# Altium PCB PCB2.PcbDoc (part 2 of 4)
Units mil, origin at the board's own origin, x right, y up, seen from the top; angles counter-clockwise.
Board outline 9200.4 x 4356.3 mil, 4 copper layers (Top Layer, Layer 1, Layer 2, Bottom Layer), stack 23.756 mil thick; 338 components, 1355 nets, 1355 pads, 694 vias.
Unrouted connection lines stored in the file: 1569.
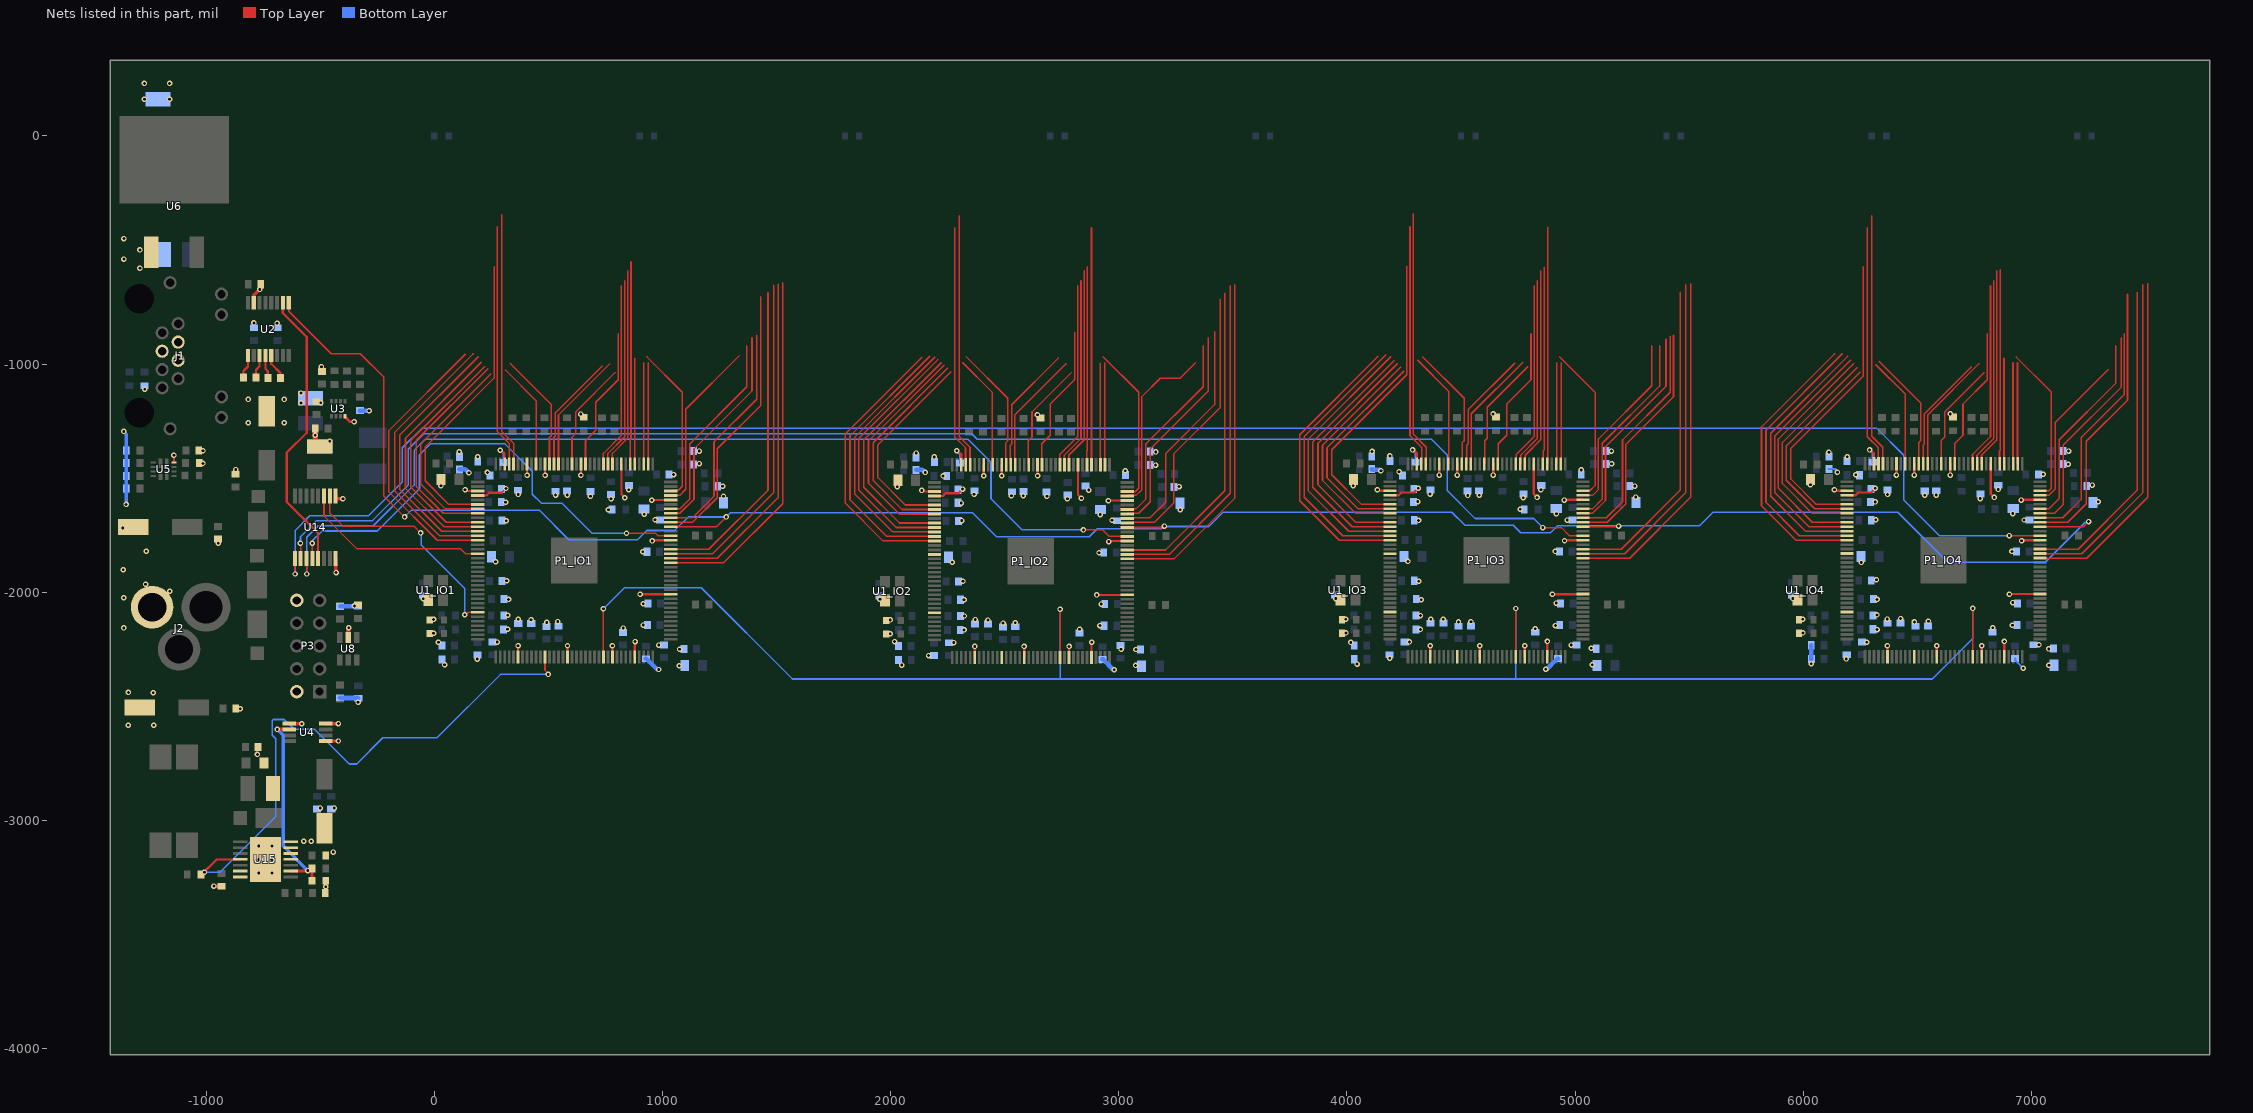
[diagram p4: the nets of this part, all layers, seen from the top]

## Footprints (in the part's own frame and the unit in brackets; to place one, negate y for a bottom-side part, rotate by r counter-clockwise, add the part's x,y. Pads: shape width x height; smd on the part's side, far side on the other; paste and mask are expansions set on the pad) (continued)
LD1085D2T33R [mm]
  rect 3.5x1.6 smd: 1(-10.275,2.54) 3(-10.275,-2.54)
  rect 9.75x12.2 smd: 4(0,0)
  silkscreen extent -12.39,-5.1 -5.2,5.1, body extent -10.41,-3.25 -0.71,3.33, height 2.3
LED_0603 [mm]
  rect 0.7x0.8 smd: 1(-0.8,0) 2(0.8,0)
  silkscreen extent -1.35,-0.6 1.35,0.6, body extent -0.8,-0.4 0.8,0.4, height 0.75
MAX3232CPWR [mm]
  rect 1.475x0.45 smd: 1(-2.938,2.275) 2(-2.938,1.625) 3(-2.938,0.975) 4(-2.938,0.325) 5(-2.938,-0.325) 6(-2.938,-0.975) 7(-2.938,-1.625) 8(-2.938,-2.275) 9(2.938,-2.275) 10(2.938,-1.625) 11(2.938,-0.975) 12(2.938,-0.325) 13(2.938,0.325) 14(2.938,0.975) 15(2.938,1.625) 16(2.938,2.275)
  silkscreen extent -1.85,-2.5 1.85,2.5, body extent -3.2,-2.5 3.2,2.5, height 1.2
MCP4562T-503E/MS [mil]
  rect 60x18 smd: 1(-80,38) 2(-80,13) 3(-80,-13) 4(-80,-38) 5(80,-38) 6(80,-13) 7(80,13) 8(80,38)
  silkscreen extent -101,-59 45,69, body extent -99,-59 97,59, height 43
MP2333HGTL-P [mm]
  rect 0.475x0.3 smd: 1(-0.838,0.75) 2(-0.838,0.25) 3(-0.838,-0.25) 4(-0.838,-0.75) 5(0.838,-0.75) 6(0.838,-0.25) 7(0.838,0.25) 8(0.838,0.75)
  silkscreen extent -1.27,-1.05 0.25,1.42, body extent -0.8,-1.05 0.8,1.05, height 0.6
NUP4114HMR6T1G [mm]
  rect 1.25x0.6 smd: 1(-1.25,0.95) 2(-1.25,0) 3(-1.25,-0.95) 4(1.25,-0.95) 5(1.25,0) 6(1.25,0.95)
  silkscreen extent -1.5,-1.5 0.28,1.83, body extent -1.38,-1.5 1.38,1.5, height 1.1
PJ002BH [mm]
  round 5.46 hole 3.64: 1(0,0)
  round 4.74 hole 3.16: 2(6,0) 3(3,4.7)
  silkscreen extent -4,-4.5 13.75,4.5, body extent -0.73,-4.57 13.67,4.83, height 11.36
RJHSE5381 [mm]
  round 1.462 hole 0.94: 1(3.501,0.125) 2(2.481,1.905) 3(1.461,0.125) 4(0.441,1.905) 5(-0.579,0.125) 6(-1.599,1.905) 7(-2.619,0.125) 8(-3.639,1.905) 9(6.801,6.735) 10(4.511,6.735) 11(-4.649,6.735) 12(-6.939,6.735) MH1(-8.199,1.015) MH2(8.061,1.015)
  round 1.65 hole 3.3 unplated: MH3(-6.419,-2.415) MH4(6.281,-2.415)
  silkscreen extent -8.32,-7.88 8.93,7.88, body extent -8.57,-7.88 8.43,7.88, height 13.1
TPS2121RUXT [mm]
  rect 1.05x0.4 smd: 1(-0.675,0.35) 2(-0.675,-0.35) 7(0.675,-0.35) 8(0.675,0.35)
  rect 0.2x0.6 smd: 3(-0.75,-1.15) 4(-0.25,-1.15) 5(0.25,-1.15) 6(0.75,-1.15) 9(0.75,1.15) 10(0.25,1.15) 11(-0.25,1.15) 12(-0.75,1.15)
  silkscreen extent -1.6,-1.27 1.27,1.27, body extent -1,-1.25 1,1.25, height 1.1
TPS61175PWPR [mm]
  rect 1.6x0.3 smd: 1(-2.8,1.95) 2(-2.8,1.3) 3(-2.8,0.65) 4(-2.8,0) 5(-2.8,-0.65) 6(-2.8,-1.3) 7(-2.8,-1.95) 8(2.8,-1.95) 9(2.8,-1.3) 10(2.8,-0.65) 11(2.8,0) 12(2.8,0.65) 13(2.8,1.3) 14(2.8,1.95)
  rect 3.4x5 smd: 15(0,0)
  round 0.44 hole 0.33: 16(-0.75,1.5) 17(0.75,1.5) 18(-0.75,0) 19(0.75,0) 20(-0.75,-1.5) 21(0.75,-1.5)
  silkscreen extent -4.3,-2.5 2.2,2.5, body extent -3.2,-2.5 3.2,2.5, height 1.2
V8PAM10SHM3H [mm]
  rect 3.1x2.2 smd: 1(-1.095,0)
  rect 1.5x1.52 smd: 2(2.125,0)
  silkscreen extent -2.92,-1.3 2.12,1.3, body extent -2.42,-1.3 2.73,1.3, height 1.1

## Part data
C1_IO1 C1_IO2 C1_IO3 C1_IO4 C4_POWER1 C4_POWER2 C4_POWER3 C4_POWER4 C5_POWER1 C5_POWER2 C5_POWER3 C5_POWER4 C6_POWER1 C6_POWER2 C6_POWER3 C6_POWER4 C9_POWER1 C9_POWER2 C9_POWER3 C9_POWER4 C12_POWER1 C12_POWER2 C12_POWER3 C12_POWER4 C13_POWER1 C13_POWER2 C13_POWER3 C13_POWER4 C15_POWER1 C15_POWER2 C15_POWER3 C15_POWER4 C16_POWER1 C16_POWER2 C16_POWER3 C16_POWER4 C17_POWER1 C17_POWER2 C17_POWER3 C17_POWER4 C23_POWER1 C23_POWER2 C23_POWER3 C23_POWER4 C24_POWER1 C24_POWER2 C24_POWER3 C24_POWER4 C45_POWER1 C45_POWER2 C45_POWER3 C45_POWER4 C48_POWER1 C48_POWER2 C48_POWER3 C48_POWER4 C49_POWER1 C49_POWER2 C49_POWER3 C49_POWER4 C51_POWER1 C51_POWER2 C51_POWER3 C51_POWER4 C52_POWER1 C52_POWER2 C52_POWER3 C52_POWER4 C57_POWER1 C57_POWER2 C57_POWER3 C57_POWER4 C58_POWER1 C58_POWER2 C58_POWER3 C58_POWER4 C59_POWER1 C59_POWER2 C59_POWER3 C59_POWER4 C60_POWER1 C60_POWER2 C60_POWER3 C60_POWER4 C61_POWER1 C61_POWER2 C61_POWER3 C61_POWER4 C62_POWER1 C62_POWER2 C62_POWER3 C62_POWER4 C64_POWER1 C64_POWER2 C64_POWER3 C64_POWER4 C65_POWER1 C65_POWER2 C65_POWER3 C65_POWER4 C66_POWER1 C66_POWER2 C66_POWER3 C66_POWER4 C67_POWER1 C67_POWER2 C67_POWER3 C67_POWER4: library part Cap, "Multilayer Ceramic Capacitors MLCC - SMD/SMT 0603 16VDC 0.1uF 10% X7R AEC-Q200", Mfr="Taiyo Yuden", Mfr Part No=EMK107B7104KAHT, Package=0603, PRICE=0.101, Stockiest=MOUSER, Stockiest Part No=963-EMK107B7104KAHT
C2_POWER1 C2_POWER2 C2_POWER3 C2_POWER4 C3_POWER1 C3_POWER2 C3_POWER3 C3_POWER4 C53_POWER1 C53_POWER2 C53_POWER3 C53_POWER4: library part Cap, "Multilayer Ceramic Capacitors MLCC - SMD/SMT 16V 0.01uF X7R 0603 10% AEC-Q200", Mfr=KEMET, Mfr Part No=C0603C103K4RECAUTO, Package=0603, PRICE=0.151, Stockiest=MOUSER, Stockiest Part No=80-C0603C103K4RECAUT
C7_POWER1 C7_POWER2 C7_POWER3 C7_POWER4 C47_POWER1 C47_POWER2 C47_POWER3 C47_POWER4 C54_POWER1 C54_POWER2 C54_POWER3 C54_POWER4 C68_POWER1 C68_POWER2 C68_POWER3 C68_POWER4: library part Cap, "Multilayer Ceramic Capacitors MLCC - SMD/SMT 16V 0.47uF 0603 X7R 5% AEC-Q200", Mfr=KEMET, Mfr Part No=C0603C474J4RACAUTO, Package=0603, PRICE=0.444, Stockiest=MOUSER, Stockiest Part No=80-C0603C474J4RAUTO
C8 C14 C19 C26 C27 C29: library part Cap, "Multilayer Ceramic Capacitors MLCC - SMD/SMT 1210 25VDC 22uF 20% X7R AEC-Q200", Mfr="Taiyo Yuden", Mfr Part No=TMK325B7226MMHP, Package=1210, PRICE=0.807, Stockiest=MOUSER, Stockiest Part No=963-TMK325B7226MMHP
C10_POWER1 C10_POWER2 C10_POWER3 C10_POWER4 C28 C46_POWER1 C46_POWER2 C46_POWER3 C46_POWER4 C55_POWER1 C55_POWER2 C55_POWER3 C55_POWER4 C69_POWER1 C69_POWER2 C69_POWER3 C69_POWER4 C70_POWER1 C70_POWER2 C70_POWER3 C70_POWER4: library part Cap, "Multilayer Ceramic Capacitors MLCC - SMD/SMT 0805 25VDC 10uF 20% X5R", Mfr="Taiyo Yuden", Mfr Part No=TMK212BBJ106MG-T, Package=0805, PRICE=0.232, Stockiest=MOUSER, Stockiest Part No=963-TMK212BBJ106MG-T
C11_POWER1 C11_POWER2 C11_POWER3 C11_POWER4 C56_POWER1 C56_POWER2 C56_POWER3 C56_POWER4 C71_POWER1 C71_POWER2 C71_POWER3 C71_POWER4 C72_POWER1 C72_POWER2 C72_POWER3 C72_POWER4: library part Cap, "Multilayer Ceramic Capacitors MLCC - SMD/SMT 1210 25VDC 22uF 20% X7R AEC-Q200", Mfr=TDK, Mfr Part No=C1608X5R1A226M080AC, Package=0603, PRICE=0.413, Stockiest=MOUSER, Stockiest Part No=810-C1608X5R1A226M
C18: library part Cap, "Multilayer Ceramic Capacitors MLCC - SMD/SMT 16volts 1uF X7R 10%", Mfr=KEMET, Mfr Part No=C0603C105K4RAC7411, Package=0603, PRICE=0.101, Stockiest=MOUSER, Stockiest Part No=80-C0603C105K4RLR
C20 C30 C31 C40 C41 C42 C43 C44: library part Cap, "Multilayer Ceramic Capacitors MLCC - SMD/SMT 50V 0.1uF 0603 X7R 20%", Mfr=KEMET, Mfr Part No=C0603C104M5RACTU, Package=0603, PRICE=0.101, Stockiest=MOUSER, Stockiest Part No=80-C0603C104M5R
C21: library part Cap, "Multilayer Ceramic Capacitors MLCC - SMD/SMT 63V 1000pF 0603 X7R 10% AEC-Q200", Mfr=KEMET, Mfr Part No=80-C0603C102KMREAUTO, Package=0603, PRICE=0.201, Stockiest=MOUSER, Stockiest Part No=C0603C102KMRECAUTO
C22: library part Cap, "Multilayer Ceramic Capacitors MLCC - SMD/SMT 0603 50VDC 6.8nF 5% C0G AEC-Q200", Mfr=TDK, Mfr Part No=CGA3E2C0G1H682J080AE, Package=0603, PRICE=0.363, Stockiest=MOUSER, Stockiest Part No=810-CGA3E2C0G1H682J8
C25 C36 C37 C38 C39: library part Cap, "Multilayer Ceramic Capacitors MLCC - SMD/SMT 50V 10pF 0603 C0G 5% AEC-Q200", Mfr=KEMET, Mfr Part No=C0603C100J5GACAUTO, Package=0603, PRICE=0.192, Stockiest=MOUSER, Stockiest Part No=80-C0603C100J5GAUTO
C32 C74 C75 C77 C78: library part Cap, "Multilayer Ceramic Capacitors MLCC - SMD/SMT 0603 2.2uF 20% 50VDC X5R", Mfr="Murata Electronics", Mfr Part No=GRM188R61H225ME11J, Package=0603, PRICE=0.333, Stockiest=MOUSER, Stockiest Part No=81-GRM188R61H225ME1J
C33 C73 C76 C79: library part "Cap Pol1", "Polarized Capacitor (Radial)", Mfr=Panasonic, Mfr Part No=EEE-FN1J100L, Package=SMD, PRICE=0.484, Stockiest=MOUSER, Stockiest Part No=667-EEE-FN1J100L
C35 C63: library part Cap, "Multilayer Ceramic Capacitors MLCC - SMD/SMT 50V 0.047uF 0603 X7R 10%", Mfr=KEMET, Mfr Part No=C0603C473K5RAC7411, Package=0603, PRICE=0.121, Stockiest=MOUSER, Stockiest Part No=80-C0603C473K5RLR
D1_IO1 D1_IO2 D1_IO3 D1_IO4 D2_IO1 D2_IO2 D2_IO3 D2_IO4 D3: library part LED, "Standard LEDs - SMD Red 631nm 14mcd 5mA", Mfr=Lite-On, Mfr Part No=LTST-C193KRKT-5A, Package=0603, PRICE=0.393, Stockiest=MOUSER, Stockiest Part No=859-LTSTC193KRKT5A
D4 D5 D6 D7: "Schottky Diodes & Rectifiers 8A 100V", Mfr="Vishay General Semiconductor", Mfr Part No=V8PAM10S-M3/H, PRICE=0.39, Stockiest=MOUSER, Stockiest Part No=78-V8PAM10S-M3/H
Designator3 Designator4 Designator5 Designator6 Designator7 Designator8 Designator9 Designator10 Designator11: library part 5536507-2
J1: "Modular Connectors / Ethernet Connectors R/A RJ45 SHEILDED 8 CONT Y/G LEDS", Mfr="Amphenol Commercial Products", Mfr Part No=RJHSE-5381, PRICE=1.77, Stockiest=MOUSER, Stockiest Part No=523-RJHSE-5381
J2: "Connector", Manufacturer_Name="CUI Devices", Mouser Part Number=490-PJ-002BH, Arrow Part Number=PJ-002BH, Arrow Price/Stock=https://www.arrow.com/en/products/pj-002bh/cui-devices, Datasheet Link=https://componentsearchengine.com/Datasheets/1/PJ-002BH.pdf, Height=11mm, Manufacturer_Part_Number=PJ-002BH, Mouser Price/Stock=https://www.mouser.co.uk/ProductDetail/CUI-Devices/PJ-002BH?qs=WyjlAZoYn51nOX1h%2FqpLlg%3D%3D
L1_POWER1 L1_POWER2 L1_POWER3 L1_POWER4 L3_POWER1 L3_POWER2 L3_POWER3 L3_POWER4: library part 0805_IND, "Ferrite Beads 100ohms 1A 60mOhms 0603 Ferrite Chip", Mfr=TDK, Mfr Part No=MPZ1608D101BTA00, Package=0603, PRICE=0.10, Stockiest=MOUSER, Stockiest Part No=810-MPZ1608D101BTA00
L4: library part INDUCTOR, "Fixed Inductors 2.2uH 20% High Temp AEC-Q200", Mfr="Vishay / Dale", Mfr Part No=IHLP1616BZER2R2M5A, PRICE=1.36, Stockiest=MOUSER, Stockiest Part No=70-IHLP1616BZR2R2M5A
L6: library part INDUCTOR, "Fixed Inductors 22uH 2.9A 20% SMD PWR INDUCTOR", Mfr=Sumida, Mfr Part No=CDRH124NP-220MC, PRICE=1.42, Stockiest=MOUSER, Stockiest Part No=851-CDRH124NP-220MC
P1_IO1 P1_IO2 P1_IO3 P1_IO4: "FPGA - Field Programmable Gate Array non-volatile FPGA, 101 I/O, 144EQFP", Mfr="Intel / Altera", Mfr Part No=10M04SCE144C8G, Package=EQFP144, PRICE=11.52, Stockiest=MOUSER, Stockiest Part No=989-10M04SCE144C8G
P3: library part "Header 5X2", "Header, 5-Pin, Dual row", Stockiest=MOUSER
R1_IO1 R1_IO2 R1_IO3 R1_IO4 R2_IO1 R2_IO2 R2_IO3 R2_IO4 R3_IO1 R3_IO2 R3_IO3 R3_IO4 R4_IO1 R4_IO2 R4_IO3 R4_IO4 R5_IO1 R5_IO2 R5_IO3 R5_IO4 R6_IO1 R6_IO2 R6_IO3 R6_IO4 R7_IO1 R7_IO2 R7_IO3 R7_IO4 R9 R10 R11 R17 R22 R23 R24 R25 R30 R31 R32 R33 R34 R37 R44 R46: library part Res1, "Thick Film Resistors - SMD 0603 10Kohms 1% Anti-Sulfur AEC-Q200", Mfr="ROHM Semiconductor", Mfr Part No=SFR03EZPF1002, Package=0603, PRICE=0.101, Stockiest=MOUSER, Stockiest Part No=755-SFR03EZPF1002
R8_IO1 R8_IO2 R8_IO3 R8_IO4 R21_IO1 R21_IO2 R21_IO3 R21_IO4: library part Res1, "Thick Film Resistors - SMD 1/10Watt 220ohms 5% Commercial Use", Mfr="Vishay / Dale", Mfr Part No=CRCW0603220RJNEAC, Package=0603, PRICE=0.101, Stockiest=MOUSER, Stockiest Part No=71-CRCW0603220RJNEAC
R12 R13_IO1 R13_IO2 R13_IO3 R13_IO4 R38 R43 R49: library part Res1, "Resistor", Mfr="Vishay / Dale", Mfr Part No=CRCW06031K00FKEAC, Package=0603, PRICE=0.1, Stockiest=MOUSER, Stockiest Part No=71-CRCW06031K00FKEAC
R14_IO1 R14_IO2 R14_IO3 R14_IO4 R20_IO1 R20_IO2 R20_IO3 R20_IO4: library part Res1, "Thick Film Resistors - SMD 1/10Watt 4.7Kohms 5% Commercial Use", Mfr="Vishay / Dale", Mfr Part No=CRCW06034K70JNEAC, Package=0603, PRICE=0.101, Stockiest=MOUSER, Stockiest Part No=71-CRCW06034K70JNEAC
R15: library part Res1, "Thick Film Resistors - SMD 0603 1% 604Kohm Anti-Sulfur AEC-Q200", Mfr=Panasonic, Mfr Part No=ERJ-U03F6043V, Package=0603, PRICE=0.221, Stockiest=MOUSER, Stockiest Part No=667-ERJ-U03F6043V
R16: library part Res1, "Thick Film Resistors - SMD 0603 0.25W 1% 20ohm AEC-Q200", Mfr=Panasonic, Mfr Part No=ERJ-UP3F20R0V, Package=0603, PRICE=0.262, Stockiest=MOUSER, Stockiest Part No=667-ERJ-UP3F20R0V
R18 R36 R42: library part Res1, "Thick Film Resistors - SMD 0603 Anti-Surge Res. 0.1%, 40.2Koh", Mfr=Panasonic, Mfr Part No=ERJ-PB3B4022V, Package=0603, PRICE=0.252, Stockiest=MOUSER, Stockiest Part No=667-ERJ-PB3B4022V
R19: library part Res1, "Thick Film Resistors - SMD 0603 Anti-Surge Res. 0.1%, 7.68Koh", Mfr=Panasonic, Mfr Part No=ERJ-PB3B7681V, Package=0603, PRICE=0.252, Stockiest=MOUSER, Stockiest Part No=667-ERJ-PB3B7681V
R35 R39 R41: library part Res1, "Thin Film Resistors - SMD 13K ohm 0.1% 25 ppm", Mfr="KOA Speer", Mfr Part No=RN73R1JTTD1302B25, Package=0603, PRICE=0.503, Stockiest=MOUSER, Stockiest Part No=660-RN73R1JTD1302B25
R40: library part Res1, "Thick Film Resistors - SMD 20K OHM .1% 25PPM", Mfr="KOA Speer", Mfr Part No=RS73F1JTTD2002B, Package=0603, PRICE=0.61, Stockiest=MOUSER, Stockiest Part No=660-RS73F1JTTD2002B
R45: library part Res1, "Thick Film Resistors - SMD High Precision Flat Chip Resistor 0.1%", Mfr="KOA Speer", Mfr Part No=RS73F1JTTD4123B, Package=0603, PRICE=0.8, Stockiest=MOUSER, Stockiest Part No=660-RS73F1JTTD4123B
R47: library part Res1, "Thick Film Resistors - SMD 0603 5.23Kohms 1% AEC-Q200", Mfr=Panasonic, Mfr Part No=ERJ-3EKF5231V, Package=0603, PRICE=0.101, Stockiest=MOUSER, Stockiest Part No=667-ERJ-3EKF5231V
R48: library part Res1, "Thick Film Resistors - SMD 0603 86.6Kohms 1% AEC-Q200", Mfr=Panasonic, Mfr Part No=ERJ-3EKF8662V, Package=0603, PRICE=0.101, Stockiest=MOUSER, Stockiest Part No=667-ERJ-3EKF8662V
U1_IO1 U1_IO2 U1_IO3 U1_IO4: library part CRYSTAL, "Standard Clock Oscillators 25.0 MHZ 3.3V 50PPM SMD 32", Mfr=ABRACON, Mfr Part No=ASE-25.000MHZ-LC-T, PRICE=1.42, Stockiest=MOUSER, Stockiest Part No=815-ASE25.000MHZLCT
U2: "RS-232 Interface IC 3-5.5V Mult-Ch RS232", Mfr="Texas Instruments", Mfr Part No=MAX3232CPWR, PRICE=0.94, Stockiest=MOUSER, Stockiest Part No=595-MAX3232CPWR
U3: "Switching Voltage Regulators High-Efficiency, 3A, 18V, 1200kHz, Synchronous, Step-Down Converter", Mfr="Monolithic Power Systems (MPS)", Mfr Part No=MP2333HGTL-P, PRICE=1.89, Stockiest=MOUSER, Stockiest Part No=946-MP2333HGTL-P
U4: "Digital Potentiometer ICs Sngl 8B NV I2C Rheo", Mfr="Microchip Technology", Mfr Part No=MCP4562T-503E/MS, PRICE=0.97, Stockiest=MOUSER, Stockiest Part No=579-MCP4562T-503E/MS
U5: "Power Switch ICs - Power Distribution", Mfr="Texas Instruments", Mfr Part No=TPS2121RUXT, PRICE=2.40, Stockiest=MOUSER, Stockiest Part No=595-TPS2121RUXT
U6: "Integrated Circuit", Mfr=STMicroelectronics, Mfr Part No=LD1085D2T33R, PRICE=1.30, Stockiest=MOUSER, Stockiest Part No=511-LD1085D2T33-TR
U8: "ESD Suppressors / TVS Diodes LOW CAP TVS ARRAY 5.5V", Mfr="ON SEMI", Mfr Part No=NUP4114HMR6T1G, PRICE=0.534, Stockiest=MOUSER, Stockiest Part No=863-NUP4114HMR6T1G
U14: "Encoders, Decoders, Multiplexers & Demultiplexers 8-INPUT MULTIPLEXER", Mfr=NEXPERIA, Mfr Part No=74HC151DB,118, PRICE=0.887, Stockiest=MOUSER, Stockiest Part No=771-HC151DB118
U15: library part TPS61175PWP, "Switching Voltage Regulators 3A High Vltg Boost Converter", Mfr="Texas Instruments", Mfr Part No=TPS61175PWPR, PRICE=3.06, Stockiest=MOUSER, Stockiest Part No=595-TPS61175PWPR

## Via types
v1: diameter 24, hole 12, Top Layer to Bottom Layer, 694 vias

## Nets (pads, with @x,y where several pads share a name; then routed paths per layer and width w, separated by ;. In a path a pad name is that pad's centre, name@x,y a point inside that pad or via, vN(x,y) a via of type N, cw(c..) or ccw(c..) an arc to the next point about the centre after c; other vN are vias at no path point)
BANK_EN0: P1_IO1.17 U14.11 | length 830.1
  Top Layer w7: U14.11@-483.01,-1577.98 -483.01,-1665.64 -338.65,-1810 115.6,-1810 137.13,-1831.53 P1_IO1.17@190.71,-1831.53
BANK_EN0_IO2: P1_IO2.17
BANK_EN0_IO3: P1_IO3.17
BANK_EN0_IO4: P1_IO4.17
BANK_EN1: P1_IO1.30 U14.10 | length 1006.2
  Top Layer w7: U14.10@-457.42,-1577.98 -457.42,-1652.58 -400,-1710 -190,-1710 -90,-1710 v1(-60,-1740) ; v1(133.85,-2098.5) 138.45,-2098.5 149.52,-2087.43 P1_IO1.30@190.71,-2087.43
  Bottom Layer w7: v1@-56.66,-1740.94 -56.75,-1741.03 -56.75,-1752.51 -56.66,-1752.6 -56.66,-1793.34 133.85,-1983.85 v1(133.85,-2098.5)
BANK_EN1_IO2: P1_IO2.30
BANK_EN1_IO3: P1_IO3.30
BANK_EN1_IO4: P1_IO4.30
BANK_EN2_IO1: P1_IO1.48 R22.2 U15.4 | length 2577.6
  Top Layer w7: P1_IO1.48@485.51,-2283.81 485.51,-2342.67 500,-2357.15 v1(500,-2360)
  Top Layer w10: R22.2@-1022.5,-3236.6 -1019.5,-3236.6 -953.64,-3170.74 U15.4@-849.83,-3170.74
  Bottom Layer w7: v1(-1006.95,-3226.58) -938.68,-3226.58 -694.6,-2982.51 -694.6,-2641.64 -710,-2626.25 -710,-2561.81 -705.9,-2557.71 -656.85,-2557.71 -613.88,-2600.68 -524.73,-2600.68 -372.87,-2752.53 -340,-2752.53 -225.44,-2637.97 12.51,-2637.97 290.47,-2360 v1(500,-2360)
BANK_EN2_IO2: P1_IO2.48
BANK_EN2_IO3: P1_IO3.48
BANK_EN2_IO4: P1_IO4.48
C1+: C40.2 U2.1 | length 104.2
  Top Layer w10: C40.2@-836.36,-1058.9 -836.36,-1030.76 -816.67,-1011.07 U2.1@-816.67,-962.87
C1-: C40.1 U2.3 | length 102.6
  Top Layer w10: C40.1@-781.24,-1058.9 -781.24,-1025.64 -765.49,-1009.89 U2.3@-765.49,-962.87
C2+: C43.2 U2.4 | length 102.2
  Top Layer w10: U2.4@-739.9,-962.87 -739.9,-1020.9 -729.3,-1031.5 C43.2@-729.3,-1060.7
C2-: C43.1 U2.5 | length 114.5
  Top Layer w10: U2.5@-714.3,-962.87 -714.3,-998.9 -674.18,-1039.02 C43.1@-674.18,-1060.7
CMD_INT: P1_IO1.61 P1_IO2.61 P1_IO3.61 P1_IO4.61 | length 7884.4
  Top Layer w7: P1_IO1.61@741.42,-2283.81 v1(741.42,-2072.08) v1@746.2,-2067.3 ; P1_IO2.61@2742.52,-2286.41 v1(2742.52,-2074.68) ; P1_IO3.61@4739.42,-2282.96 v1(4739.42,-2071.23) v1@4744.2,-2066.45 ; P1_IO4.61@6742.42,-2282.81 v1(6742.42,-2071.08)
  Bottom Layer w7: v1(741.42,-2072.08) 833.5,-1980 1170,-1980 1570,-2380 2742.52,-2380 ; v1(2742.52,-2074.68) 2742.52,-2380 ; v1(4739.42,-2071.23) 4739.42,-2380 ; v1(6742.42,-2071.08) 6742.42,-2202.69 6565.11,-2380 4739.42,-2380 ; 2742.52,-2380 4739.42,-2380
CMD_RX: P1_IO1.98 P1_IO2.98 P1_IO3.98 P1_IO4.98 U2.9 | length 9851.6
  Top Layer w7: U2.9@-637.53,-731.53 -637.53,-768.32 -451.59,-954.27 -323.96,-954.27 -221.73,-1056.49 -221.73,-1578.27 v1(-130,-1670) ; P1_IO1.98@1036.22,-1713.42 1236.58,-1713.42 v1(1280,-1670) ; P1_IO2.98@3037.32,-1716.02 3193.98,-1716.02 v1(3200,-1710) ; P1_IO3.98@5034.22,-1712.57 5187.43,-1712.57 v1(5190,-1710) ; P1_IO4.98@7037.22,-1712.42 7227.58,-1712.42 v1(7250,-1690)
  Bottom Layer w7: v1(-130,-1670) -100,-1640 460,-1640 589.34,-1769.34 890.66,-1769.34 930.78,-1729.22 1053.34,-1729.22 1112.56,-1670 v1(1280,-1670) 1297.6,-1652.4 2360.33,-1652.4 2464.33,-1756.41 2870.9,-1756.41 2905.17,-1722.14 3187.4,-1722.14 3199.54,-1710 v1(3200,-1710) ; v1@3200,-1711.96 3393.99,-1711.96 3457,-1648.95 4459.15,-1648.95 4516.69,-1706.48 4728.57,-1706.48 4761.22,-1739.14 4891.52,-1739.14 4922.15,-1708.51 5190,-1708.51 5544.61,-1708.51 5604.32,-1648.8 6413.72,-1648.8 6633.12,-1868.2 7060.35,-1868.2 7235.37,-1693.19 7246.81,-1693.19 v1(7250,-1690)
CMD_TX: U2.10 U14.5 | length 1257.8
  Top Layer w10: U2.10@-663.12,-731.53 -663.96,-732.37 -663.96,-776.64 -559,-881.6 -559,-1300.98 -645.96,-1387.94 -645.96,-1604.01 -509.44,-1740.53 -509.44,-1851.78 U14.5@-508.6,-1852.62
CMD_TX_IO1: P1_IO1.96 U14.4 | length 2137.7
  Top Layer w7: v1(-535.16,-1785.25) -534.68,-1785.73 -534.68,-1852.14 U14.4@-534.2,-1852.62 ; v1(842.52,-1741.8) 970,-1741.8 980.99,-1752.79 P1_IO1.96@1036.22,-1752.79
  Bottom Layer w7: v1(-535.16,-1785.25) -531.91,-1781.99 -531.91,-1772.45 -490.88,-1731.43 -250.15,-1731.43 -64.61,-1545.89 -64.61,-1396.87 -17.74,-1350 310,-1350 430,-1470 430,-1570 470,-1610 560,-1610 691.8,-1741.8 v1(842.52,-1741.8)
CMD_TX_IO2: P1_IO2.96 U14.3 | length 4362.3
  Top Layer w7: U14.3@-559.79,-1852.62 -559.3,-1853.11 -559.3,-1919.52 v1(-558.82,-1920) ; v1(2844.81,-1726.75) 2930,-1726.75 2958.64,-1755.39 P1_IO2.96@3037.32,-1755.39
  Bottom Layer w7: v1(-558.82,-1920) -558.82,-1758.82 -508.36,-1708.36 -266.71,-1708.36 -88.38,-1530.03 -88.38,-1378.28 -39.19,-1329.08 2339.08,-1329.08 2440,-1430 2440,-1590 2576.75,-1726.75 v1(2844.81,-1726.75)
CMD_TX_IO3: P1_IO3.96 U14.2 | length 6271.6
  Top Layer w7: v1(-586.34,-1785.25) -585.86,-1785.73 -585.86,-1852.14 U14.2@-585.38,-1852.62 ; v1(4857.95,-1716.64) 4940,-1716.64 4975.3,-1751.94 P1_IO3.96@5034.22,-1751.94
  Bottom Layer w7: v1(-586.34,-1785.25) -586.34,-1756.34 -515.88,-1685.88 -270.26,-1685.88 -114.41,-1530.03 -114.41,-1373.76 -45.85,-1305.2 2355.2,-1305.2 2380,-1330 4370,-1330 4440,-1400 4440,-1555.21 4561.48,-1676.69 4818,-1676.69 v1(4857.95,-1716.64)
CMD_TX_IO4: P1_IO4.96 U14.1 | length 8488.4
  Top Layer w7: U14.1@-610.97,-1852.62 -610.48,-1853.11 -610.48,-1919.52 v1(-610,-1920) ; v1(6902.19,-1751.79) P1_IO4.96@7037.22,-1751.79
  Bottom Layer w7: v1(-610,-1920) -610,-1730 -545.18,-1665.18 -288.59,-1665.18 -140.43,-1517.02 -140.43,-1367.28 -53.77,-1280.62 6320.62,-1280.62 6440,-1400 6440,-1595.26 6596.53,-1751.79 v1(6902.19,-1751.79)
FB: R9.1 R45.2 U4.6 U15.9 | length 871.8
  Top Layer w12: U15.9@-629.36,-3221.92 R45.2@-535.1,-3221.92 ; R9.1@-535.5,-3264.27 R45.2@-535.5,-3212.43
  Top Layer w15: v1(-687.5,-2601) U4.6@-635.8,-2601
  Bottom Layer w15: v1(-687.5,-2601) -662.04,-2626.46 -662.04,-3111.56 v1(-553.9,-3219.7)
GND: C1_IO1.1 C1_IO2.1 C1_IO3.1 C1_IO4.1 C2_POWER1.2 C2_POWER2.2 C2_POWER3.2 C2_POWER4.2 C3_POWER1.2 C3_POWER2.2 C3_POWER3.2 C3_POWER4.2 C4_POWER1.2 C4_POWER2.2 C4_POWER3.2 C4_POWER4.2 C5_POWER1.2 C5_POWER2.2 C5_POWER3.2 C5_POWER4.2 C6_POWER1.2 C6_POWER2.2 C6_POWER3.2 C6_POWER4.2 C7_POWER1.2 C7_POWER2.2 C7_POWER3.2 C7_POWER4.2 C8.1 C9_POWER1.2 C9_POWER2.2 C9_POWER3.2 C9_POWER4.2 C10_POWER1.1 C10_POWER2.1 C10_POWER3.1 C10_POWER4.1 C11_POWER1.1 C11_POWER2.1 C11_POWER3.1 C11_POWER4.1 C12_POWER1.2 C12_POWER2.2 C12_POWER3.2 C12_POWER4.2 C13_POWER1.2 C13_POWER2.2 C13_POWER3.2 C13_POWER4.2 C14.1 C15_POWER1.2 C15_POWER2.2 C15_POWER3.2 C15_POWER4.2 C16_POWER1.2 C16_POWER2.2 C16_POWER3.2 C16_POWER4.2 C17_POWER1.2 C17_POWER2.2 C17_POWER3.2 C17_POWER4.2 C19.1 C20.1 C21.1 C22.1 C23_POWER1.2 C23_POWER2.2 C23_POWER3.2 C23_POWER4.2 C24_POWER1.2 C24_POWER2.2 C24_POWER3.2 C24_POWER4.2 C26.1 C27.1 C28.1 C29.1 C30.1 C31.1 C32.1 C33.2 C35.1 C36.1 C37.1 C38.1 C39.1 C41.1 C42.1 C44.1 C45_POWER1.2 C45_POWER2.2 C45_POWER3.2 C45_POWER4.2 C46_POWER1.1 C46_POWER2.1 C46_POWER3.1 C46_POWER4.1 C47_POWER1.2 C47_POWER2.2 C47_POWER3.2 C47_POWER4.2 C48_POWER1.2 C48_POWER2.2 C48_POWER3.2 C48_POWER4.2 C49_POWER1.2 C49_POWER2.2 C49_POWER3.2 C49_POWER4.2 C51_POWER1.2 C51_POWER2.2 C51_POWER3.2 C51_POWER4.2 C52_POWER1.2 C52_POWER2.2 C52_POWER3.2 C52_POWER4.2 C53_POWER1.2 C53_POWER2.2 C53_POWER3.2 C53_POWER4.2 C54_POWER1.2 C54_POWER2.2 C54_POWER3.2 C54_POWER4.2 C55_POWER1.1 C55_POWER2.1 C55_POWER3.1 C55_POWER4.1 C56_POWER1.1 C56_POWER2.1 C56_POWER3.1 C56_POWER4.1 C57_POWER1.2 C57_POWER2.2 C57_POWER3.2 C57_POWER4.2 C58_POWER1.2 C58_POWER2.2 C58_POWER3.2 C58_POWER4.2 C59_POWER1.2 C59_POWER2.2 C59_POWER3.2 C59_POWER4.2 C60_POWER1.2 C60_POWER2.2 C60_POWER3.2 C60_POWER4.2 C61_POWER1.2 C61_POWER2.2 C61_POWER3.2 C61_POWER4.2 C62_POWER1.2 C62_POWER2.2 C62_POWER3.2 C62_POWER4.2 C63.1 C64_POWER1.2 C64_POWER2.2 C64_POWER3.2 C64_POWER4.2 C65_POWER1.2 C65_POWER2.2 C65_POWER3.2 C65_POWER4.2 C66_POWER1.2 C66_POWER2.2 C66_POWER3.2 C66_POWER4.2 C67_POWER1.2 C67_POWER2.2 C67_POWER3.2 C67_POWER4.2 C68_POWER1.2 C68_POWER2.2 C68_POWER3.2 C68_POWER4.2 C69_POWER1.1 C69_POWER2.1 C69_POWER3.1 C69_POWER4.1 C70_POWER1.1 C70_POWER2.1 C70_POWER3.1 C70_POWER4.1 C71_POWER1.1 C71_POWER2.1 C71_POWER3.1 C71_POWER4.1 C72_POWER1.1 C72_POWER2.1 C72_POWER3.1 C72_POWER4.1 C73.2 C74.1 C75.1 C76.2 C77.1 C78.1 C79.2 D1_IO1.2 D1_IO2.2 D1_IO3.2 D1_IO4.2 D2_IO1.2 D2_IO2.2 D2_IO3.2 D2_IO4.2 J1.4 J1.5 J1.6 J2.2 P1_IO1.3 P1_IO1.4 P1_IO1.42 P1_IO1.53 P1_IO1.63 P1_IO1.68 P1_IO1.83 P1_IO1.95 P1_IO1.104 P1_IO1.116 P1_IO1.125 P1_IO1.133 P1_IO1.137 P1_IO1.142 P1_IO2.3 P1_IO2.4 P1_IO2.42 P1_IO2.53 P1_IO2.63 P1_IO2.68 P1_IO2.83 P1_IO2.95 P1_IO2.104 P1_IO2.116 P1_IO2.125 P1_IO2.133 P1_IO2.137 P1_IO2.142 P1_IO3.3 P1_IO3.4 P1_IO3.42 P1_IO3.53 P1_IO3.63 P1_IO3.68 P1_IO3.83 P1_IO3.95 P1_IO3.104 P1_IO3.116 P1_IO3.125 P1_IO3.133 P1_IO3.137 P1_IO3.142 P1_IO4.3 P1_IO4.4 P1_IO4.42 P1_IO4.53 P1_IO4.63 P1_IO4.68 P1_IO4.83 P1_IO4.95 P1_IO4.104 P1_IO4.116 P1_IO4.125 P1_IO4.133 P1_IO4.137 P1_IO4.142 P3.2 P3.10 R9.2 R12.1 R13_IO1.1 R13_IO2.1 R13_IO3.1 R13_IO4.1 R19.2 R23.2 R24.2 R25.2 R32.2 R38.1 R39.2 R40.2 R43.1 R44.2 R48.1 R49.1 U1_IO1.2 U1_IO2.2 U1_IO3.2 U1_IO4.2 U2.15 U3.4 U4.1 U4.4 U4.5 U5.12 U6.1 U8.2 U14.8 U14.9 U15.6 U15.7 U15.11 U15.12 U15.13 U15.14 U15.15 U15.16 U15.17 U15.18 U15.19 U15.20 U15.21 | length 6321.2
  Top Layer w10: U5.12@-1140.6,-1431.27 v1(-1140.6,-1399.07) ; C35.1@-477.94,-3318.6 -475.5,-3316.16 R9.2@-475.5,-3264.27 ; v1(135.2,-1551.3) 139.84,-1555.94 P1_IO1.3@190.71,-1555.94 ; P1_IO1.4@190.71,-1575.62 228.57,-1575.62 240.73,-1563.46 296.04,-1563.46 v1(314.2,-1545.3) ; v1(289.2,-1377.3) 293.2,-1377.3 308.35,-1392.45 P1_IO1.142@308.35,-1438.3 P1_IO1.142@307.44,-1439.21 ; P1_IO1.42@367.4,-2283.81 v1(367.4,-2234.86) ; v1(406.77,-1487.25) P1_IO1.137@406.77,-1438.3 ; v1(485.51,-1487.25) P1_IO1.133@485.51,-1438.3 ; P1_IO1.53@583.94,-2283.81 v1(583.94,-2234.86) ; v1(643,-1487.25) P1_IO1.125@643,-1438.3 ; P1_IO1.63@780.79,-2283.81 v1(780.79,-2234.86) ; P1_IO1.116@820.16,-1438.3 820.16,-1570.26 v1(835.2,-1585.3) ; P1_IO1.68@879.22,-2283.81 879.22,-2217.28 v1(880.2,-2216.3) ; v1(902.2,-2009.3) 898.92,-2009.3 899.22,-2009 1035.92,-2009 P1_IO1.83@1036.22,-2008.69 ; v1(953.66,-1596.92) 955.27,-1595.31 P1_IO1.104@1036.22,-1595.31 ; v1(955.2,-1775.3) 958.99,-1775.3 961.82,-1772.47 P1_IO1.95@1036.22,-1772.47 ; v1(2136.3,-1553.9) 2140.94,-1558.54 P1_IO2.3@2191.81,-1558.54 ; P1_IO2.4@2191.81,-1578.22 2229.67,-1578.22 2241.83,-1566.06 2297.14,-1566.06 v1(2315.3,-1547.9) ; v1(2290.3,-1379.9) 2294.3,-1379.9 2309.45,-1395.05 P1_IO2.142@2309.45,-1440.9 P1_IO2.142@2308.54,-1441.81 ; P1_IO2.42@2368.5,-2286.41 v1(2368.5,-2237.46) ; v1(2407.87,-1489.85) P1_IO2.137@2407.87,-1440.9 ; v1(2486.61,-1489.85) P1_IO2.133@2486.61,-1440.9 ; P1_IO2.53@2585.04,-2286.41 v1(2585.04,-2237.46) ; v1(2644.1,-1489.85) P1_IO2.125@2644.1,-1440.9 ; P1_IO2.63@2781.89,-2286.41 v1(2781.89,-2237.46) ; P1_IO2.116@2821.26,-1440.9 2821.26,-1572.86 v1(2836.3,-1587.9) ; P1_IO2.68@2880.32,-2286.41 2880.32,-2219.88 v1(2881.3,-2218.9) ; v1(2903.3,-2011.9) 2900.02,-2011.9 2900.32,-2011.6 3037.02,-2011.6 P1_IO2.83@3037.32,-2011.29 ; v1(2954.76,-1599.52) 2956.37,-1597.91 P1_IO2.104@3037.32,-1597.91 ; v1(2956.3,-1777.9) 2960.09,-1777.9 2962.92,-1775.07 P1_IO2.95@3037.32,-1775.07 ; v1(4133.2,-1550.45) 4137.84,-1555.09 P1_IO3.3@4188.71,-1555.09 ; P1_IO3.4@4188.71,-1574.77 4226.57,-1574.77 4238.73,-1562.61 4294.04,-1562.61 v1(4312.2,-1544.45) ; v1(4287.2,-1376.45) 4291.2,-1376.45 4306.35,-1391.6 P1_IO3.142@4306.35,-1437.45 P1_IO3.142@4305.44,-1438.36 ; P1_IO3.42@4365.4,-2282.96 v1(4365.4,-2234.02) ; v1(4404.77,-1486.4) P1_IO3.137@4404.77,-1437.45 ; v1(4483.51,-1486.4) P1_IO3.133@4483.51,-1437.45 ; P1_IO3.53@4581.94,-2282.96 v1(4581.94,-2234.02) ; v1(4641,-1486.4) P1_IO3.125@4641,-1437.45 ; P1_IO3.63@4778.79,-2282.96 v1(4778.79,-2234.02) ; P1_IO3.116@4818.16,-1437.45 4818.16,-1569.41 v1(4833.2,-1584.45) ; P1_IO3.68@4877.22,-2282.96 4877.22,-2216.43 v1(4878.2,-2215.45) ; v1(4900.2,-2008.45) 4896.92,-2008.45 4897.22,-2008.15 5033.92,-2008.15 P1_IO3.83@5034.22,-2007.84 ; v1(4951.66,-1596.07) 4953.27,-1594.46 P1_IO3.104@5034.22,-1594.46 ; v1(4953.2,-1774.45) 4956.99,-1774.45 4959.82,-1771.62 P1_IO3.95@5034.22,-1771.62 ; v1(6136.2,-1550.3) 6140.84,-1554.94 P1_IO4.3@6191.71,-1554.94 ; P1_IO4.4@6191.71,-1574.62 6229.57,-1574.62 6241.73,-1562.46 6297.04,-1562.46 v1(6315.2,-1544.3) ; v1(6290.2,-1376.3) 6294.2,-1376.3 6309.35,-1391.45 P1_IO4.142@6309.35,-1437.3 P1_IO4.142@6308.44,-1438.21 ; P1_IO4.42@6368.4,-2282.81 v1(6368.4,-2233.86) ; v1(6407.77,-1486.25) P1_IO4.137@6407.77,-1437.3 ; v1(6486.51,-1486.25) P1_IO4.133@6486.51,-1437.3 ; P1_IO4.53@6584.94,-2282.81 v1(6584.94,-2233.86) ; v1(6644,-1486.25) P1_IO4.125@6644,-1437.3 ; P1_IO4.63@6781.79,-2282.81 v1(6781.79,-2233.86) ; P1_IO4.116@6821.16,-1437.3 6821.16,-1569.26 v1(6836.2,-1584.3) ; P1_IO4.68@6880.22,-2282.81 6880.22,-2216.28 v1(6881.2,-2215.3) ; v1(6903.2,-2008.3) 6899.92,-2008.3 6900.22,-2008 7036.92,-2008 P1_IO4.83@7037.22,-2007.69 ; v1(6954.66,-1595.92) 6956.27,-1594.31 P1_IO4.104@7037.22,-1594.31 ; v1(6956.2,-1774.3) 6959.99,-1774.3 6962.82,-1771.47 P1_IO4.95@7037.22,-1771.47